# KiCad board jetson-orin-baseboard.kicad_pcb (continued)
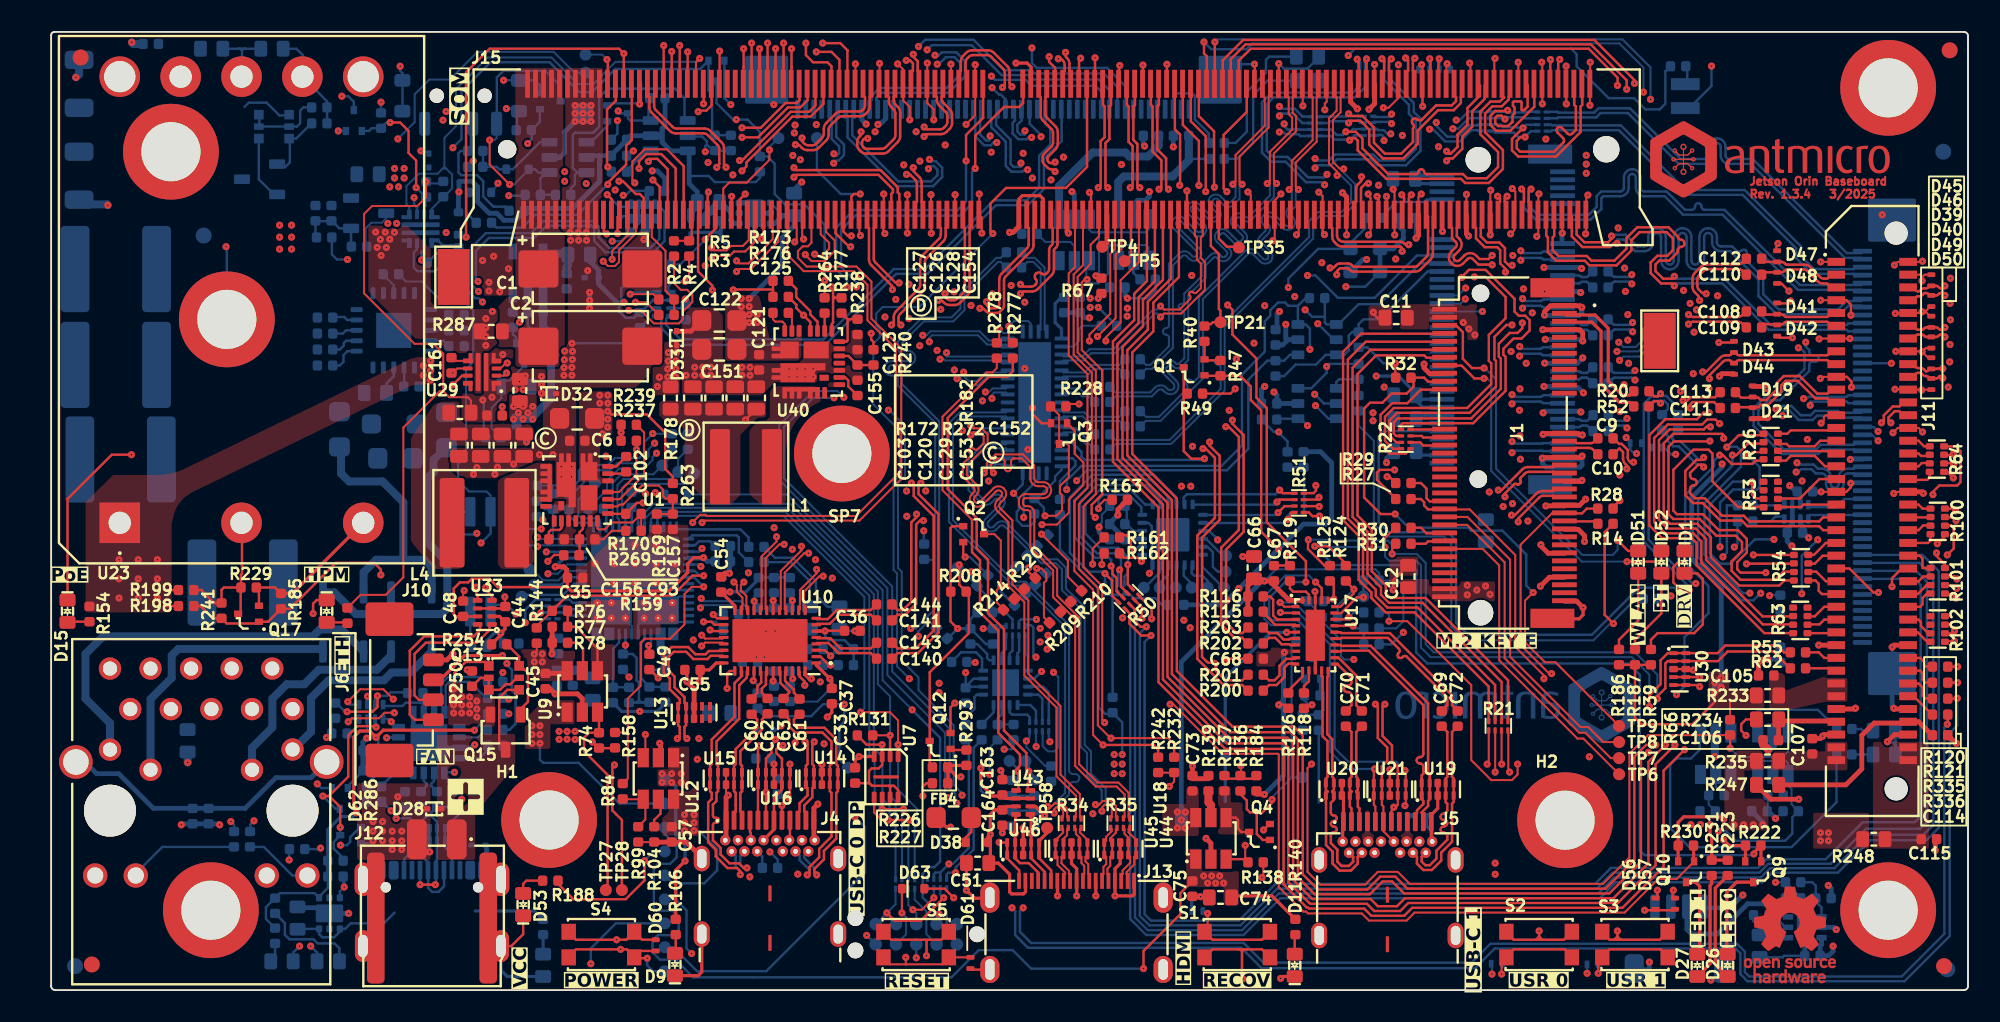
[diagram p0: board, top side]
## Routing (per net, layer and track width the routed paths; a pad name or vN(x,y) marks a point on that pad's centre or on a via; arc(x,y) is an arc through that point) (continued)
GPIO010: length 120.9
  Top w0.125: v1(91.8,14.15) 91.8,13.5 91.45,13.15 90.15,13.15 88.9,14.4 88.9,19.1 84.9,23.1 v1(83.75,23.1)
  Top w0.15: v1(40.95,47) 40.95,47.04 41.6,47.68 41.6,48.54
  In5.Cu w0.125: v1(91.8,14.15) 89.7,16.25 69.45,16.25 62.05,23.65 53.45,23.65 52.75,22.95 42.65,22.95 41.3,24.3 41.3,33.15 40.2,34.25 v1(37.78,34.25) 37.5,34.25 37.25,34.5 37.25,35.4 35.55,37.1 35.55,41.9 35.1,42.35 35.1,43.85 35.66,44.41 38.69,44.41 39.15,43.95 40.93,43.95 41.24,44.26 42.36,44.26 42.5,44.4 43.2,44.4 43.5,44.7 43.5,45.9 42.4,47 v1(40.95,47)
  Bottom w0.125: 83.14,23.65 83.6,23.65 83.75,23.5 v1(83.75,23.1) ; 32.4,31.08 32.66,31.08 33.36,31.79 33.36,32.28 33.63,32.55 34.99,32.55 35.43,32.99 36.97,32.99 37.4,33.42 37.4,33.87 v1(37.78,34.25) ; 38.83,45.45 39.4,45.45 v1(40.95,47)
GPIO11: length 122
  Top w0.15: v1(119.25,29.4) 119.05,29.6 118.55,29.6 ; v1(41.4,43.83) 41.4,44.11 40.5,45.01 40.5,48.45 40.6,48.54
  In5.Cu w0.125: v1(41.4,43.83) 41.27,43.7 39,43.7 38.55,44.15 35.85,44.15 35.41,43.71 35.41,42.49 35.85,42.05 35.85,37.25 38.59,34.51 40.29,34.51 41.55,33.25 41.55,24.4 42.7,23.25 52.6,23.25 53.3,23.95 62.15,23.95 69.55,16.55 94.35,16.55 98.3,20.5 104.53,20.5 106.8,22.78 109.45,22.78 112.95,26.28 115.55,26.28 118.68,29.4 v1(119.25,29.4)
GPIO12: length 118.2
  Top w0.125: R2.2 38.99,44.27 39.41,43.85 39.82,43.85 40.14,43.53 40.14,43.08 39.55,42.49 39.55,42 39.3,41.75 37.73,41.75 36.92,42.56 v1(36.16,42.56)
  Top w0.15: v1(119.22,30) 119.07,30.15 118.55,30.15
  In5.Cu w0.125: v1(36.16,42.56) 36.15,42.55 36.15,37.4 38.79,34.76 40.4,34.76 41.8,33.36 41.8,24.51 42.76,23.55 52.45,23.55 53.15,24.25 62.25,24.25 69.65,16.85 94.1,16.85 98.15,20.9 104.35,20.9 106.6,23.15 109.25,23.15 110.4,24.3 110.4,25.53 111.45,26.58 115.38,26.58 118.8,30 v1(119.22,30)
GPIO13: length 112.9
  Top w0.125: 36.62,43.17 36.62,43.11 v1(36.58,43.07) 37.25,43.07 R3.2
  Top w0.15: v1(119.07,32.08) 118.7,32.45 118.5,32.45
  In5.Cu w0.125: v1(36.58,43.07) 36.83,42.82 36.83,42.39 36.45,42.01 36.45,37.5 38.9,35.05 40.5,35.05 42.05,33.5 42.05,24.61 42.81,23.85 52.3,23.85 53,24.55 62.35,24.55 69.75,17.15 93.8,17.15 97.88,21.22 104.28,21.22 106.5,23.45 108.97,23.45 110.05,24.53 110.05,25.8 111.15,26.9 115,26.9 118.28,30.17 118.28,31.28 v1(119.07,32.08)
I2C1_SCL: length 161.3
  Top w0.15: 47.35,56.74 47.35,55.72 46.9,55.28 46.12,55.28 44.25,53.4 v1(43.25,53.4) ; 100.55,5.7 v1(100.55,6.25)
  In3.Cu w0.125: v1(24.53,54.48) 24.53,54.41 24.35,54.23 24.35,48.95 21.66,46.26 21.66,31.11 22.2,30.57 22.2,15.2 23.03,14.37 31.17,14.37 31.35,14.37 31.71,14.33 32.06,14.26 32.41,14.16 32.74,14.02 33.05,13.85 33.35,13.65 33.63,13.43 33.76,13.3 33.88,13.17 34.11,12.89 34.31,12.6 34.48,12.28 34.61,11.95 34.72,11.61 34.79,11.25 34.82,10.9 34.83,10.72 34.83,2.08 35.35,1.55 56.95,1.55 58,2.6 77,2.6 77.75,1.85 98.35,1.85 100.85,4.35 100.85,5.95 v1(100.55,6.25)
  In5.Cu w0.15: v1(24.53,54.48) 25.36,53.65 43,53.65 v1(43.25,53.4)
  Bottom w0.15: v1(100.55,6.25) 100.55,5.37 100.4,5.22
I2C1_SDA: length 162.6
  Top w0.15: 46.85,56.74 46.85,55.72 46.68,55.55 45.98,55.55 44.43,54 v1(43.25,54) ; 101.5,5.7 101.5,6.2 v1(101.55,6.25)
  In3.Cu w0.125: v1(101.55,6.25) 101.25,5.95 101.25,4.35 98.45,1.55 77.65,1.55 76.85,2.35 58.15,2.35 57.05,1.25 35.05,1.25 34.53,1.78 34.53,10.76 arc(34.3,11.91) 33.65,12.88 33.34,13.19 arc(32.37,13.84) 31.22,14.07 22.83,14.07 21.9,15 21.9,30.37 21.36,30.91 21.36,46.32 24.1,49.06 24.1,54.7 24.42,55.02 24.72,55.02 v1(24.73,55.02)
  In5.Cu w0.15: v1(43.25,54) 43.2,53.95 25.79,53.95 v1(24.73,55.02)
  Bottom w0.15: 101.4,5.22 101.55,5.37 v1(101.55,6.25)
I2C2_SCL: length 143.2
  Top w0.125: v1(34.56,45.64) 34.86,45.34 35.3,45.34 35.55,45.59 35.55,46.33 36.6,47.38 36.6,48.54
  Top w0.15: 101.56,19.1 103.1,19.1 v1(103.2,19) ; 118.74,19.25 v1(119.35,19.25)
  In3.Cu w0.125: v1(103.2,19) 103.05,19.15 100.85,19.15 98.35,16.65 98.35,10.55 98.35,10.37 98.31,10 98.23,9.64 98.12,9.29 97.97,8.96 97.79,8.64 97.57,8.35 97.33,8.07 97.05,7.83 96.76,7.61 96.44,7.43 96.11,7.28 95.76,7.17 95.4,7.09 95.03,7.05 94.85,7.05 93.35,7.05 92.15,5.85 78.55,5.85 76.05,8.35 54.15,8.35 52.15,6.35 37.35,6.35 36.3,7.4 36.3,15.2 34.25,17.25
  In3.Cu w0.15: v1(103.2,19) 103.38,19.17 103.38,19.17 103.62,19.42 103.62,19.42 104.25,20.05 105.15,20.05 105.7,19.5 119.1,19.5 v1(119.35,19.25) ; v1(34.56,45.64) 34.55,45.63 34.55,42.35 33.25,41.05 33.25,31.63 32.65,31.03 32.65,18.85 34.25,17.25
I2C2_SDA: length 141.4
  Top w0.125: 36.1,48.54 36.1,47.27 35.12,46.29 35.12,45.76 v1(35.12,45.76)
  Top w0.15: 118.74,20.25 v1(119.35,20.25) ; v1(103.2,19.6) 101.56,19.6
  In3.Cu w0.125: 34.55,17.35 36.6,15.3 36.6,7.5 37.45,6.65 52.05,6.65 54.05,8.65 76.14,8.65 78.64,6.15 91.95,6.15 93.15,7.35 94.75,7.35 arc(97.08,8.32) 98.05,10.65 98.05,16.75 100.75,19.45 103.05,19.45 v1(103.2,19.6)
  In3.Cu w0.15: v1(35.12,45.76) 35.12,45.52 34.85,45.25 34.85,42.25 33.55,40.95 33.55,31.43 32.95,30.83 32.95,18.95 34.55,17.35 ; v1(119.35,20.25) 119.05,19.95 105.65,19.95 105.2,20.4 104,20.4 v1(103.2,19.6)
I2S0_LRCK: length 117.2
  Top w0.15: 45.35,56.74 45.35,57.8 45.35,57.81 v1(45.35,58.95) ; 109.1,26.7 106.14,26.7 v1(106.13,26.69)
  In3.Cu w0.125: v1(45.35,58.95) 45.35,57.79 44.15,56.59 40.28,56.59 39.35,55.66 39.35,49.9 39.05,49.6 39.05,41.74 37.4,40.09 37.4,37.65 37.75,37.3 39.2,37.3 41.15,35.35 41.15,33.65 46.27,28.53 46.92,28.53 50.1,25.35 54.93,25.35 56.23,24.05 59.61,24.05 60.71,25.15 71.75,25.15 77.65,19.25 77.65,17.2 78.75,16.1 95.13,16.1 105.72,26.69 v1(106.13,26.69)
I2S0_SCLK: length 131.1
  Top w0.15: v1(118.07,27.95) 118.61,28.48 ; 44.85,56.74 44.85,57.75 44.85,57.76 v1(44.85,59.3)
  In3.Cu w0.125: v1(118.07,27.95) 118.07,28.03 117.01,29.1 107.72,29.1 107.03,28.41 107.03,26.98 106.29,26.24 105.75,26.24 95.31,15.8 78.65,15.8 77.35,17.1 77.35,19.15 71.65,24.85 60.78,24.85 59.73,23.8 56.1,23.8 54.85,25.05 48.15,25.05 43.58,29.62 43.58,30.47 40.85,33.2 40.85,35.3 39.1,37.05 37.65,37.05 37.15,37.55 37.15,40.2 38.8,41.85 38.8,49.7 39.1,50 39.1,55.85 40.12,56.87 43.87,56.87 44.85,57.85 v1(44.85,59.3)
I2S0_SDIN: length 115.2
  Top w0.15: 45.85,56.74 45.85,57.8 45.85,57.81 v1(45.85,59.3) ; v1(106.56,27.25) 109.1,27.25
  In3.Cu w0.125: v1(106.56,27.25) 105.87,27.25 95.02,16.4 78.85,16.4 77.95,17.3 77.95,19.35 71.9,25.4 60.6,25.4 59.5,24.3 56.4,24.3 55.03,25.67 50.13,25.67 47.02,28.78 46.42,28.78 41.75,33.45 41.75,39.45 40.15,41.05 40.15,44.49 39.63,45.01 39.63,55.59 40.34,56.3 44.3,56.3 45.85,57.85 v1(45.85,59.3)
I2S0_SDOUT: length 127.1
  Top w0.15: 46.35,56.74 46.35,57.8 46.35,57.81 v1(46.35,58.95) ; R101.8 118.55,26.66 118.03,27.19 v1(118.03,27.38)
  In3.Cu w0.125: v1(118.03,27.38) 118.18,27.38 118.54,27.74 118.54,28.14 117.31,29.38 107.61,29.38 94.93,16.7 78.95,16.7 78.25,17.4 78.25,19.45 72.03,25.67 60.53,25.67 59.4,24.55 56.55,24.55 55.12,25.98 50.22,25.98 47.17,29.03 46.57,29.03 42.05,33.55 42.05,39.55 40.41,41.19 40.41,44.59 39.93,45.07 39.93,55.48 40.45,56 44.41,56 46.35,57.94 v1(46.35,58.95)
I2S1_LRCK: length 90.6
  Top w0.125: v1(90.4,13.65) 90.4,16.07
  Top w0.15: 38.6,48.54 38.6,51.4 37.95,52.05 37.45,52.05 37.39,51.99 v1(37.39,51.89)
  In3.Cu w0.125: v1(37.39,51.89) 37.21,51.71 37.21,48.64 37.55,48.3 37.55,42.44 35.9,40.79 35.9,36.99 37.09,35.8 38.58,35.8 39.35,35.03 39.35,32.33 41.9,29.78 41.9,29.3 45.95,25.25 45.95,24.25 46.5,23.7 54.2,23.7 56.2,21.7 60.15,21.7 60.66,22.21 v1(62.4,22.21)
  In5.Cu w0.125: v1(90.4,13.65) 89.7,13.65 89.35,14 89.35,15.5 89.2,15.65 69.15,15.65 62.59,22.21 v1(62.4,22.21)
I2S1_SCLK: length 85.1
  Top w0.125: 90,16.07 90,14.25 v1(89.9,14.15)
  Top w0.15: v1(37.67,50.73) 38.1,50.3 38.1,48.54
  In3.Cu w0.125: v1(61.91,22.65) 60.7,22.65 60,21.95 56.35,21.95 54.35,23.95 47.65,23.95 42.25,29.35 42.25,29.88 39.65,32.47 39.65,35.08 38.68,36.05 37.19,36.05 36.15,37.09 36.15,40.68 37.8,42.33 37.8,48.8 37.67,48.93 v1(37.67,50.73)
  In5.Cu w0.125: v1(61.91,22.65) 62.55,22.65 69.25,15.95 89.4,15.95 89.65,15.7 89.65,14.4 v1(89.9,14.15)
I2S1_SDIN: length 93.2
  Top w0.125: v1(90.81,14.15) 90.8,14.16 90.8,16.07
  Top w0.15: 39.1,48.54 39.1,51.45 38.2,52.35 37.25,52.35 36.8,51.9 v1(36.8,51.45)
  In3.Cu w0.125: v1(61.91,21.8) 60.65,21.8 60.3,21.45 56.05,21.45 54.05,23.45 46.35,23.45 45.65,24.15 45.65,25.15 41.56,29.24 41.56,29.64 39.08,32.12 39.08,34.95 38.48,35.55 36.98,35.55 35.65,36.88 35.65,40.9 37.25,42.5 37.25,46.21 36.7,46.76 36.7,50 36.95,50.25 36.95,50.9 36.8,51.05 v1(36.8,51.45)
  In5.Cu w0.125: v1(90.81,14.15) 90.85,14.11 90.85,13.5 90.55,13.2 89.65,13.2 89.05,13.8 89.05,15.35 69,15.35 62.55,21.8 v1(61.91,21.8)
I2S1_SDOUT: length 95.6
  Top w0.125: 38.95,52.25 38.55,52.65 37.15,52.65 36.39,51.89 36.39,50.7 v1(36.54,50.55) ; 91.2,16.07 91.22,16.05 91.22,13.73 v1(91.3,13.65)
  Top w0.15: 39.6,48.54 39.6,51.6 38.95,52.25
  In3.Cu w0.125: v1(62.35,21.35) 60.7,21.35 60.55,21.2 55.9,21.2 53.9,23.2 45.7,23.2 44.75,24.15 44.75,25.65 41.25,29.15 41.25,29.53 38.79,31.98 38.79,34.88 38.37,35.3 36.88,35.3 35.4,36.78 35.4,41.01 37,42.61 37,46.05 36.45,46.6 36.45,50.46 v1(36.54,50.55)
  In5.Cu w0.125: 91.35,13.6 v1(91.3,13.65) 91.3,13.5 90.7,12.9 89.5,12.9 88.75,13.65 88.75,15.1 88.7,15.05 68.85,15.05 62.55,21.35 v1(62.35,21.35)
MODULE_ID: length 32.9
  Top w0.125: J15.217 40.37,56.79 40.37,58.11 v1(40.6,58.34)
  Bottom w0.125: v1(40.6,58.34) 40.39,58.13 35.33,58.13 33.95,56.75 32.97,56.75 31.32,58.4 27.32,58.4 25.34,56.42 25.34,54.09 24.62,53.37 24.62,51.55 ; 24.51,51.44 24.19,51.12 23.02,51.12 22.24,50.34 22.24,49.22 22.42,49.03 U48.1 ; 24.51,51.44 24.73,51.44 24.73,51.44 ; 24.51,51.44 24.62,51.55 ; 24.62,51.55 24.73,51.44 ; 24.73,51.44 25.1,51.07 25.1,50.2 23.83,48.92 U48.4
PCIE0_CLK_N: length 65.2
  Top w0.155: v1(53.97,51.5) 53.97,51.35 arc(53.98,51.3) 54.01,51.25 54.35,50.91 arc(54.46,50.75) 54.5,50.56 54.5,50.31 54.5,49.96 ; 54.6,48.54 54.6,49.27 54.5,49.37 54.5,49.96
  In3.Cu w0.16: v1(53.97,51.5) 53.97,51.35 arc(53.98,51.3) 54.01,51.25 54.36,50.9 arc(54.47,50.83) 54.61,50.8 54.99,50.8 arc(55.13,50.83) 55.24,50.9 56.45,52.11 arc(56.52,52.22) 56.55,52.36 56.55,57 arc(56.59,57.2) 56.7,57.36 56.75,57.41 arc(56.82,57.52) 56.85,57.66 56.85,58.05 arc(56.89,58.25) 57,58.41 57.24,58.65 arc(57.4,58.76) 57.6,58.8 60.5,58.8 arc(60.7,58.76) 60.86,58.65 63.61,55.9 arc(63.72,55.83) 63.86,55.8 73.34,55.8 arc(73.54,55.76) 73.7,55.65 74.19,55.16 arc(74.3,55.09) 74.44,55.06 75.33,55.06 arc(75.46,55.09) 75.58,55.16 76.37,55.95 arc(76.53,56.06) 76.72,56.1 91.7,56.1 arc(91.9,56.06) 92.06,55.95 92.89,55.12 arc(93,54.96) 93.04,54.76 93.04,51.15 arc(93.07,51.01) 93.14,50.9 93.9,50.14 arc(94.01,49.98) 94.05,49.78 94.05,47 arc(94.01,46.8) 93.9,46.64 93.26,46 arc(93.1,45.89) 92.9,45.85 92.21,45.85 arc(92.15,45.84) 92.1,45.81 v1(92,45.7)
  Bottom w0.155: v1(92,45.7) 92.1,45.81 arc(92.15,45.84) 92.21,45.85 93.22,45.85 arc(93.28,45.84) 93.33,45.81 93.34,45.79 arc(93.39,45.76) 93.45,45.75 94.55,45.75
PCIE0_CLK_P: length 65.2
  Top w0.155: 54.2,49.96 54.2,50.19 54.2,50.19 54.2,50.5 arc(54.17,50.63) 54.1,50.74 53.8,51.04 arc(53.75,51.07) 53.7,51.08 v1(53.55,51.08) ; 54.2,49.96 54.2,49.37 54.1,49.27 54.1,48.54
  In3.Cu w0.16: v1(53.55,51.08) 53.7,51.08 arc(53.75,51.07) 53.8,51.04 54.19,50.65 arc(54.35,50.54) 54.55,50.5 55.26,50.5 55.35,50.58 arc(55.49,50.64) 55.63,50.58 55.64,50.57 arc(55.78,50.51) 55.92,50.57 arc(55.98,50.71) 55.92,50.85 55.91,50.87 arc(55.85,51.01) 55.91,51.15 arc(56.05,51.21) 56.19,51.15 56.21,51.14 arc(56.35,51.08) 56.49,51.14 arc(56.55,51.28) 56.49,51.42 56.48,51.43 arc(56.42,51.57) 56.48,51.72 56.7,51.94 arc(56.81,52.1) 56.85,52.3 56.85,56.94 arc(56.88,57.08) 56.95,57.19 57,57.24 arc(57.11,57.4) 57.15,57.6 57.15,57.99 arc(57.18,58.13) 57.25,58.24 57.41,58.4 arc(57.52,58.47) 57.66,58.5 60.44,58.5 arc(60.58,58.47) 60.69,58.4 63.44,55.65 arc(63.6,55.54) 63.8,55.5 73.28,55.5 arc(73.42,55.47) 73.53,55.4 74.02,54.91 arc(74.18,54.8) 74.38,54.76 75.39,54.76 arc(75.58,54.8) 75.74,54.91 76.53,55.7 arc(76.65,55.77) 76.78,55.8 91.64,55.8 arc(91.78,55.77) 91.89,55.7 92.64,54.95 arc(92.71,54.84) 92.74,54.7 92.74,51.09 arc(92.78,50.89) 92.89,50.73 93.65,49.97 arc(93.72,49.86) 93.75,49.72 93.75,47.06 arc(93.72,46.92) 93.65,46.81 93.09,46.25 arc(92.98,46.18) 92.84,46.15 92.21,46.15 arc(92.15,46.16) 92.1,46.19 v1(92,46.3)
  Bottom w0.155: 94.55,46.25 93.45,46.25 arc(93.39,46.24) 93.34,46.21 93.33,46.19 arc(93.28,46.16) 93.22,46.15 92.21,46.15 arc(92.15,46.16) 92.1,46.19 v1(92,46.3)
PCIE0_CLKREQ*: length 63.6
  Top w0.15: v1(50.09,47.23) 49.87,47.23 49.6,47.5 49.6,48.54
  In5.Cu w0.125: v1(63.57,31.34) 63.35,31.57 63.35,45.45 62.45,46.35 50.92,46.35 50.09,47.19 v1(50.09,47.23)
  In5.Cu w0.15: v1(78.8,40.12) 78.2,39.53 78.2,37.55 v1(79.15,36.6)
  Bottom w0.15: v1(78.8,40.12) 78.8,41.42 78.55,41.68 U3.6 78.05,42.85 ; 78.05,42.85 78.53,43.33 78.77,43.33 ; 78.05,42.85 77.45,42.85 77.24,43.06 76.81,43.06 76.32,42.57 76.32,42.23 75.97,41.88 75.97,39.97 74.55,38.55 74.55,34.1 73.28,32.83 64.5,32.83 63.57,31.9 v1(63.57,31.34) ; v1(79.15,36.6) 79.97,35.78 U2.3
PCIE0_RST*: length 65.7
  Top w0.15: 49.35,56.74 49.35,58.25 48.85,58.75 v1(47.9,58.75)
  In5.Cu w0.125: v1(64.2,31.9) 63.9,32.2 63.9,45.7 62.7,46.9 52,46.9 48.86,50.04 46.54,50.04 45.95,50.63 45.95,54.33 46.66,55.04 46.66,56.86 47.9,58.1 v1(47.9,58.75)
  Bottom w0.15: v1(64.2,31.9) 64.85,32.55 73.6,32.55 74.95,33.9 74.95,38.23 76.14,39.42 77.19,39.42 77.55,39.78 U3.4
PCIE0_RX0_N: length 53.5
  Top w0.155: 63.85,57.47 63.75,57.57 63.75,58.01 arc(63.71,58.2) 63.6,58.36 63.54,58.42 arc(63.51,58.47) 63.5,58.52 v1(63.5,58.72)
  In3.Cu w0.16: v1(92.11,42.7) 92.22,42.81 arc(92.27,42.84) 92.32,42.85 93.82,42.85 arc(94.02,42.89) 94.18,43 94.87,43.69 arc(94.98,43.85) 95.02,44.05 95.02,45.66 arc(95.05,45.8) 95.12,45.91 95.32,46.11 arc(95.43,46.27) 95.47,46.47 95.47,52.31 arc(95.5,52.45) 95.57,52.56 95.61,52.6 arc(95.72,52.76) 95.76,52.96 95.76,56.17 arc(95.72,56.36) 95.61,56.52 94.91,57.23 arc(94.75,57.34) 94.55,57.37 76.12,57.37 arc(75.93,57.34) 75.77,57.23 75.72,57.18 arc(75.6,57.1) 75.47,57.07 65.03,57.07 arc(64.9,57.1) 64.78,57.18 63.54,58.42 arc(63.51,58.47) 63.5,58.52 v1(63.5,58.72)
  Bottom w0.155: 94.55,42.75 93.45,42.75 arc(93.39,42.76) 93.34,42.79 93.33,42.81 arc(93.28,42.84) 93.22,42.85 92.32,42.85 arc(92.26,42.84) 92.22,42.81 v1(92.11,42.7)
PCIE0_RX0_P: length 53.6
  Top w0.155: v1(63.05,58.32) 63.16,58.32 arc(63.21,58.31) 63.26,58.28 63.35,58.19 arc(63.42,58.08) 63.45,57.95 63.45,57.57 63.35,57.47
  In3.Cu w0.16: v1(63.05,58.32) 63.16,58.32 arc(63.21,58.31) 63.26,58.28 63.59,57.94 arc(63.66,57.79) 63.59,57.63 arc(63.53,57.47) 63.59,57.31 arc(63.75,57.24) 63.91,57.31 arc(64.07,57.37) 64.23,57.31 64.62,56.92 arc(64.78,56.81) 64.97,56.78 75.53,56.78 arc(75.72,56.81) 75.88,56.92 75.93,56.97 arc(76.05,57.05) 76.18,57.08 94.49,57.08 arc(94.63,57.05) 94.74,56.97 95.36,56.36 arc(95.43,56.24) 95.46,56.11 95.46,53.02 arc(95.43,52.88) 95.36,52.77 95.32,52.73 arc(95.21,52.57) 95.17,52.37 95.17,46.53 arc(95.14,46.39) 95.07,46.28 94.87,46.08 arc(94.76,45.92) 94.72,45.72 94.72,45.65 arc(94.67,45.53) 94.55,45.48 94.51,45.48 arc(94.38,45.42) 94.33,45.3 arc(94.38,45.18) 94.51,45.13 94.55,45.13 arc(94.67,45.07) 94.72,44.95 94.72,44.11 arc(94.69,43.97) 94.62,43.86 94.01,43.25 arc(93.9,43.18) 93.76,43.15 92.32,43.15 arc(92.27,43.16) 92.22,43.19 v1(92.11,43.3)
  Bottom w0.155: 94.55,43.25 93.45,43.25 arc(93.39,43.24) 93.34,43.21 93.33,43.19 arc(93.28,43.16) 93.22,43.15 92.32,43.15 arc(92.26,43.16) 92.22,43.19 v1(92.11,43.3)
PCIE0_RX1_N: length 48
  Top w0.155: v1(62.85,51.85) 62.84,51.83 arc(62.79,51.8) 62.73,51.79 62.57,51.79 arc(62.51,51.8) 62.47,51.83 62.41,51.89 arc(62.38,51.94) 62.37,51.99 62.37,52.09 arc(62.38,52.14) 62.41,52.19 62.87,52.65 arc(62.98,52.81) 63.02,53.01 63.02,53.73 arc(62.98,53.93) 62.87,54.09 62.35,54.61 arc(62.27,54.73) 62.25,54.86 62.25,55.92 62.35,56.02 62.35,56.74
  In3.Cu w0.16: v1(91.93,39.7) 92.03,39.81 arc(92.08,39.84) 92.14,39.85 92.32,39.85 arc(92.43,39.87) 92.53,39.94 92.78,40.19 arc(92.85,40.29) 92.87,40.4 92.87,40.75 arc(92.85,40.86) 92.78,40.96 92.55,41.19 arc(92.45,41.26) 92.34,41.28 92.14,41.28 arc(92.03,41.26) 91.93,41.19 91.78,41.04 arc(91.73,41.01) 91.68,41 91.43,41 arc(91.32,40.98) 91.22,40.91 90.93,40.62 arc(90.88,40.59) 90.83,40.58 88.35,40.58 arc(88.22,40.61) 88.1,40.68 83.47,45.31 arc(83.4,45.43) 83.37,45.56 83.37,47.92 arc(83.33,48.12) 83.22,48.28 82.39,49.11 arc(82.23,49.22) 82.03,49.26 79.45,49.26 arc(79.31,49.29) 79.2,49.36 78.95,49.61 arc(78.88,49.72) 78.85,49.86 78.85,50.73 arc(78.81,50.92) 78.7,51.08 78.43,51.35 arc(78.27,51.46) 78.08,51.5 76.59,51.5 arc(76.4,51.54) 76.24,51.65 76.18,51.7 arc(76.02,51.81) 75.83,51.85 74.02,51.85 arc(73.82,51.81) 73.66,51.7 73.24,51.28 arc(73.13,51.21) 72.99,51.18 65.49,51.18 arc(65.35,51.21) 65.24,51.28 64.97,51.55 arc(64.81,51.66) 64.61,51.7 63,51.7 v1(62.85,51.85)
  Bottom w0.155: 94.53,39.75 93.42,39.75 arc(93.37,39.76) 93.32,39.79 93.31,39.81 arc(93.26,39.84) 93.2,39.85 92.14,39.85 arc(92.08,39.84) 92.03,39.81 v1(91.93,39.7)
PCIE0_RX1_P: length 48
  Top w0.155: v1(62.85,51.25) 62.75,51.36 arc(62.7,51.39) 62.64,51.4 62.6,51.4 arc(62.49,51.42) 62.39,51.49 62.16,51.72 arc(62.09,51.82) 62.07,51.93 62.07,52.15 arc(62.09,52.26) 62.16,52.36 62.62,52.82 arc(62.69,52.93) 62.72,53.07 62.72,53.67 arc(62.69,53.81) 62.62,53.92 62.09,54.44 arc(61.99,54.61) 61.95,54.8 61.95,55.92 61.85,56.02 61.85,56.74
  In3.Cu w0.16: v1(91.93,40.3) 92.03,40.19 arc(92.08,40.16) 92.14,40.15 92.26,40.15 arc(92.31,40.16) 92.36,40.19 92.53,40.36 arc(92.56,40.41) 92.57,40.46 92.57,40.69 arc(92.56,40.74) 92.53,40.79 92.38,40.94 arc(92.33,40.97) 92.28,40.98 92.2,40.98 arc(92.15,40.97) 92.1,40.94 91.95,40.79 arc(91.85,40.72) 91.74,40.7 91.49,40.7 arc(91.44,40.69) 91.39,40.66 91.1,40.37 arc(91,40.3) 90.89,40.28 90.1,40.28 arc(89.98,40.23) 89.92,40.11 arc(89.87,39.98) 89.75,39.93 arc(89.63,39.98) 89.57,40.11 arc(89.52,40.23) 89.4,40.28 88.29,40.28 arc(88.1,40.32) 87.94,40.43 83.22,45.15 arc(83.11,45.31) 83.07,45.5 83.07,47.86 arc(83.04,48) 82.97,48.11 82.22,48.86 arc(82.11,48.93) 81.97,48.96 79.39,48.96 arc(79.19,49) 79.03,49.11 78.7,49.44 arc(78.59,49.6) 78.55,49.8 78.55,50.67 arc(78.52,50.8) 78.45,50.92 78.27,51.1 arc(78.15,51.17) 78.02,51.2 76.47,51.2 arc(76.28,51.24) 76.12,51.35 76.02,51.45 arc(75.9,51.52) 75.77,51.55 74.08,51.55 arc(73.94,51.52) 73.83,51.45 73.41,51.03 arc(73.25,50.92) 73.05,50.88 65.43,50.88 arc(65.23,50.92) 65.07,51.03 64.8,51.3 arc(64.69,51.37) 64.55,51.4 63,51.4 v1(62.85,51.25)
  Bottom w0.155: 94.53,40.25 93.42,40.25 arc(93.37,40.24) 93.32,40.21 93.31,40.19 arc(93.26,40.16) 93.2,40.15 92.14,40.15 arc(92.08,40.16) 92.03,40.19 v1(91.93,40.3)
PCIE0_RX2_N: length 53
  Top w0.155: 57.35,57.47 57.25,57.57 57.25,58.09 arc(57.27,58.22) 57.35,58.34 57.46,58.45 arc(57.57,58.52) 57.71,58.55 58.59,58.55 arc(58.73,58.52) 58.84,58.45 59.6,57.69 arc(59.67,57.58) 59.7,57.44 59.7,56.73 arc(59.69,56.67) 59.66,56.63 v1(59.56,56.53)
  In3.Cu w0.16: v1(91.45,36.71) 91.36,36.81 arc(91.31,36.84) 91.25,36.85 89.3,36.85 arc(89.1,36.89) 88.94,37 76.94,49 arc(76.83,49.07) 76.69,49.1 60.7,49.1 arc(60.5,49.14) 60.34,49.25 59.05,50.54 arc(58.94,50.7) 58.9,50.9 58.9,51.7 arc(58.94,51.9) 59.05,52.06 59.6,52.61 arc(59.67,52.72) 59.7,52.86 59.7,54.92 arc(59.64,55.06) 59.5,55.12 59.48,55.12 arc(59.34,55.18) 59.28,55.32 arc(59.34,55.46) 59.48,55.52 59.5,55.52 arc(59.64,55.58) 59.7,55.72 59.7,56.38 v1(59.56,56.53)
  Bottom w0.155: v1(91.45,36.71) 91.55,36.81 arc(91.6,36.84) 91.65,36.86 93.22,36.86 arc(93.28,36.84) 93.33,36.81 93.34,36.79 arc(93.39,36.76) 93.45,36.75 94.55,36.75
PCIE0_RX2_P: length 53
  Top w0.155: 56.85,57.47 56.95,57.57 56.95,58.15 arc(56.99,58.34) 57.09,58.51 57.29,58.7 arc(57.45,58.81) 57.65,58.85 58.65,58.85 arc(58.85,58.81) 59.01,58.7 59.85,57.86 arc(59.96,57.7) 60,57.5 60,56.78 arc(60.01,56.72) 60.04,56.67 v1(60.14,56.57)
  In3.Cu w0.16: v1(91.45,37.29) 91.36,37.19 arc(91.31,37.16) 91.25,37.15 89.36,37.15 arc(89.22,37.18) 89.11,37.25 77.11,49.25 arc(76.95,49.36) 76.75,49.4 60.76,49.4 arc(60.62,49.43) 60.51,49.5 59.3,50.71 arc(59.23,50.82) 59.2,50.96 59.2,51.64 arc(59.23,51.78) 59.3,51.89 59.85,52.44 arc(59.96,52.6) 60,52.8 60,56.42 v1(60.14,56.57)
  Bottom w0.155: v1(91.45,37.29) 91.55,37.19 arc(91.6,37.16) 91.65,37.14 93.22,37.14 arc(93.28,37.16) 93.33,37.19 93.34,37.21 arc(93.39,37.24) 93.45,37.25 94.55,37.25
PCIE0_RX3_N: length 62.8
  Top w0.155: v1(54.65,53.45) 54.75,53.56 arc(54.8,53.59) 54.86,53.6 55.7,53.6 arc(55.9,53.64) 56.06,53.75 56.25,53.94 arc(56.36,54.1) 56.4,54.3 56.4,54.8 arc(56.36,55) 56.25,55.16 55.85,55.56 arc(55.77,55.68) 55.75,55.81 55.75,55.92 55.85,56.02
  In3.Cu w0.16: v1(91.45,33.65) 91.29,33.81 arc(91.24,33.84) 91.19,33.85 89.15,33.85 arc(88.95,33.89) 88.79,34 87.9,34.89 arc(87.79,35.05) 87.75,35.25 87.75,36.14 arc(87.72,36.28) 87.65,36.39 76.19,47.85 arc(76.08,47.92) 75.94,47.95 52.65,47.95 arc(52.45,47.99) 52.29,48.1 51.4,48.99 arc(51.29,49.15) 51.25,49.35 51.25,51.8 arc(51.29,52) 51.4,52.16 52.09,52.85 arc(52.25,52.96) 52.45,53 53.94,53 arc(54.05,52.98) 54.15,52.91 54.27,52.79 arc(54.32,52.76) 54.37,52.75 54.78,52.75 arc(54.83,52.76) 54.88,52.79 55.06,52.97 arc(55.09,53.02) 55.1,53.07 55.1,53.33 arc(55.09,53.38) 55.06,53.43 54.93,53.56 arc(54.88,53.59) 54.83,53.6 54.8,53.6 v1(54.65,53.45)
  Bottom w0.155: 94.55,33.75 93.39,33.75 93.36,33.78 91.64,33.77 arc(91.58,33.76) 91.53,33.73 v1(91.45,33.65)
PCIE0_RX3_P: length 62.8
  Top w0.155: 55.35,56.02 55.45,55.92 55.45,55.75 arc(55.49,55.56) 55.59,55.39 56,54.99 arc(56.07,54.88) 56.1,54.74 56.1,54.36 arc(56.07,54.22) 56,54.11 55.89,54 arc(55.78,53.93) 55.64,53.9 54.86,53.9 arc(54.8,53.91) 54.75,53.94 v1(54.65,54.05)
  In3.Cu w0.16: v1(91.45,34.35) 91.29,34.19 arc(91.24,34.16) 91.19,34.15 89.21,34.15 arc(89.07,34.18) 88.96,34.25 88.15,35.06 arc(88.08,35.17) 88.05,35.31 88.05,36.2 arc(88.01,36.4) 87.9,36.56 76.36,48.1 arc(76.2,48.21) 76,48.25 52.71,48.25 arc(52.57,48.28) 52.46,48.35 51.65,49.16 arc(51.58,49.27) 51.55,49.41 51.55,50.16 arc(51.61,50.3) 51.75,50.36 51.77,50.36 arc(51.91,50.42) 51.97,50.56 arc(51.91,50.7) 51.77,50.76 51.75,50.76 arc(51.61,50.82) 51.55,50.96 51.55,51.74 arc(51.58,51.88) 51.65,51.99 52.26,52.6 arc(52.37,52.67) 52.51,52.7 53.88,52.7 arc(53.93,52.69) 53.98,52.66 54.1,52.54 arc(54.2,52.47) 54.31,52.45 54.84,52.45 arc(54.95,52.47) 55.05,52.54 55.31,52.8 arc(55.38,52.9) 55.4,53.01 55.4,53.39 arc(55.38,53.5) 55.31,53.6 55.1,53.81 arc(55,53.88) 54.89,53.9 54.86,53.9 arc(54.8,53.91) 54.75,53.94 v1(54.65,54.05)
  Bottom w0.155: v1(91.45,34.35) 91.53,34.27 arc(91.58,34.24) 91.64,34.23 93.36,34.22 93.39,34.25 94.55,34.25
PCIE0_TX0_N: length 70.2
  Top w0.155: 63.1,47.82 63,47.72 63,46.71 arc(62.97,46.59) 62.91,46.5 62.82,46.41 arc(62.79,46.36) 62.77,46.3 62.77,45.12 arc(62.74,44.93) 62.63,44.77 61.76,43.9 arc(61.6,43.79) 61.41,43.75 60.89,43.75 arc(60.83,43.74) 60.78,43.71 v1(60.68,43.61)
  In3.Cu w0.16: v1(98.95,44.22) 98.86,44.32 arc(98.81,44.35) 98.75,44.36 97.92,44.36 arc(97.79,44.34) 97.67,44.26 97.43,44.02 arc(97.36,43.91) 97.33,43.77 97.33,42.9 arc(97.29,42.7) 97.18,42.54 96.42,41.78 arc(96.26,41.67) 96.06,41.63 95.37,41.63 arc(95.23,41.6) 95.12,41.53 94.89,41.3 arc(94.82,41.19) 94.79,41.05 94.79,39.29 arc(94.75,39.09) 94.64,38.93 94.24,38.53 arc(94.08,38.42) 93.88,38.38 93.41,38.38 arc(93.27,38.35) 93.16,38.28 92.86,37.98 arc(92.79,37.87) 92.76,37.73 92.76,31.89 arc(92.79,31.75) 92.86,31.64 92.99,31.51 arc(93.1,31.44) 93.24,31.41 93.46,31.41 arc(93.66,31.37) 93.82,31.26 94.15,30.93 arc(94.26,30.77) 94.3,30.57 94.3,29.8 arc(94.26,29.6) 94.15,29.44 92.06,27.35 arc(91.9,27.24) 91.7,27.2 87.65,27.2 arc(87.45,27.24) 87.29,27.35 82.95,31.69 arc(82.84,31.85) 82.8,32.05 82.8,34.39 arc(82.77,34.53) 82.7,34.64 73.69,43.65 arc(73.58,43.72) 73.44,43.75 60.89,43.75 arc(60.83,43.74) 60.78,43.71 v1(60.68,43.61)
  Bottom w0.155: 97.47,44 97.79,44.32 arc(97.84,44.36) 97.9,44.37 98.75,44.37 arc(98.8,44.36) 98.85,44.32 v1(98.95,44.22)
PCIE0_TX0_P: length 70.2
  Top w0.155: 62.6,47.82 62.7,47.72 62.7,46.77 arc(62.69,46.71) 62.65,46.67 62.56,46.57 arc(62.5,46.48) 62.48,46.36 62.48,45.18 arc(62.45,45.05) 62.37,44.93 62.31,44.88 arc(62.15,44.81) 61.99,44.88 arc(61.83,44.94) 61.67,44.88 61.64,44.84 arc(61.57,44.68) 61.64,44.52 arc(61.71,44.36) 61.64,44.2 61.59,44.15 arc(61.48,44.08) 61.34,44.05 60.89,44.05 arc(60.83,44.06) 60.78,44.09 v1(60.68,44.19)
  In3.Cu w0.16: v1(98.95,44.8) 98.86,44.71 arc(98.81,44.67) 98.75,44.66 97.86,44.66 arc(97.67,44.62) 97.5,44.52 97.18,44.19 arc(97.07,44.03) 97.03,43.83 97.03,42.96 arc(97,42.82) 96.93,42.71 96.25,42.03 arc(96.14,41.96) 96,41.93 95.31,41.93 arc(95.11,41.89) 94.95,41.78 94.64,41.47 arc(94.53,41.31) 94.49,41.11 94.49,39.35 arc(94.46,39.21) 94.39,39.1 94.07,38.78 arc(93.96,38.71) 93.82,38.68 93.35,38.68 arc(93.15,38.64) 92.99,38.53 92.61,38.15 arc(92.5,37.99) 92.46,37.79 92.46,31.83 arc(92.5,31.63) 92.61,31.47 92.82,31.26 arc(92.98,31.15) 93.18,31.11 93.4,31.11 arc(93.54,31.08) 93.65,31.01 93.9,30.76 arc(93.97,30.65) 94,30.51 94,29.86 arc(93.97,29.72) 93.9,29.61 91.89,27.6 arc(91.78,27.53) 91.64,27.5 87.71,27.5 arc(87.57,27.53) 87.46,27.6 83.2,31.86 arc(83.13,31.97) 83.1,32.11 83.1,34.45 arc(83.06,34.65) 82.95,34.81 73.86,43.9 arc(73.7,44.01) 73.5,44.05 60.89,44.05 arc(60.83,44.06) 60.78,44.09 v1(60.68,44.19)
  Bottom w0.155: v1(98.95,44.8) 98.85,44.7 arc(98.8,44.67) 98.75,44.66 97.87,44.66 arc(97.82,44.67) 97.77,44.7 97.47,45
